# Altium PCB RevA2.PcbDoc (part 5 of 6)
Units mm, origin at the board's own origin, x right, y up, seen from the top; angles counter-clockwise.
Board outline 173 x 171 mm, 2 copper layers (Top Layer, Top, Bottom Layer, Bottom); 316 components, 437 nets, 1976 pads, 936 vias.
Unrouted connection lines stored in the file: 219.
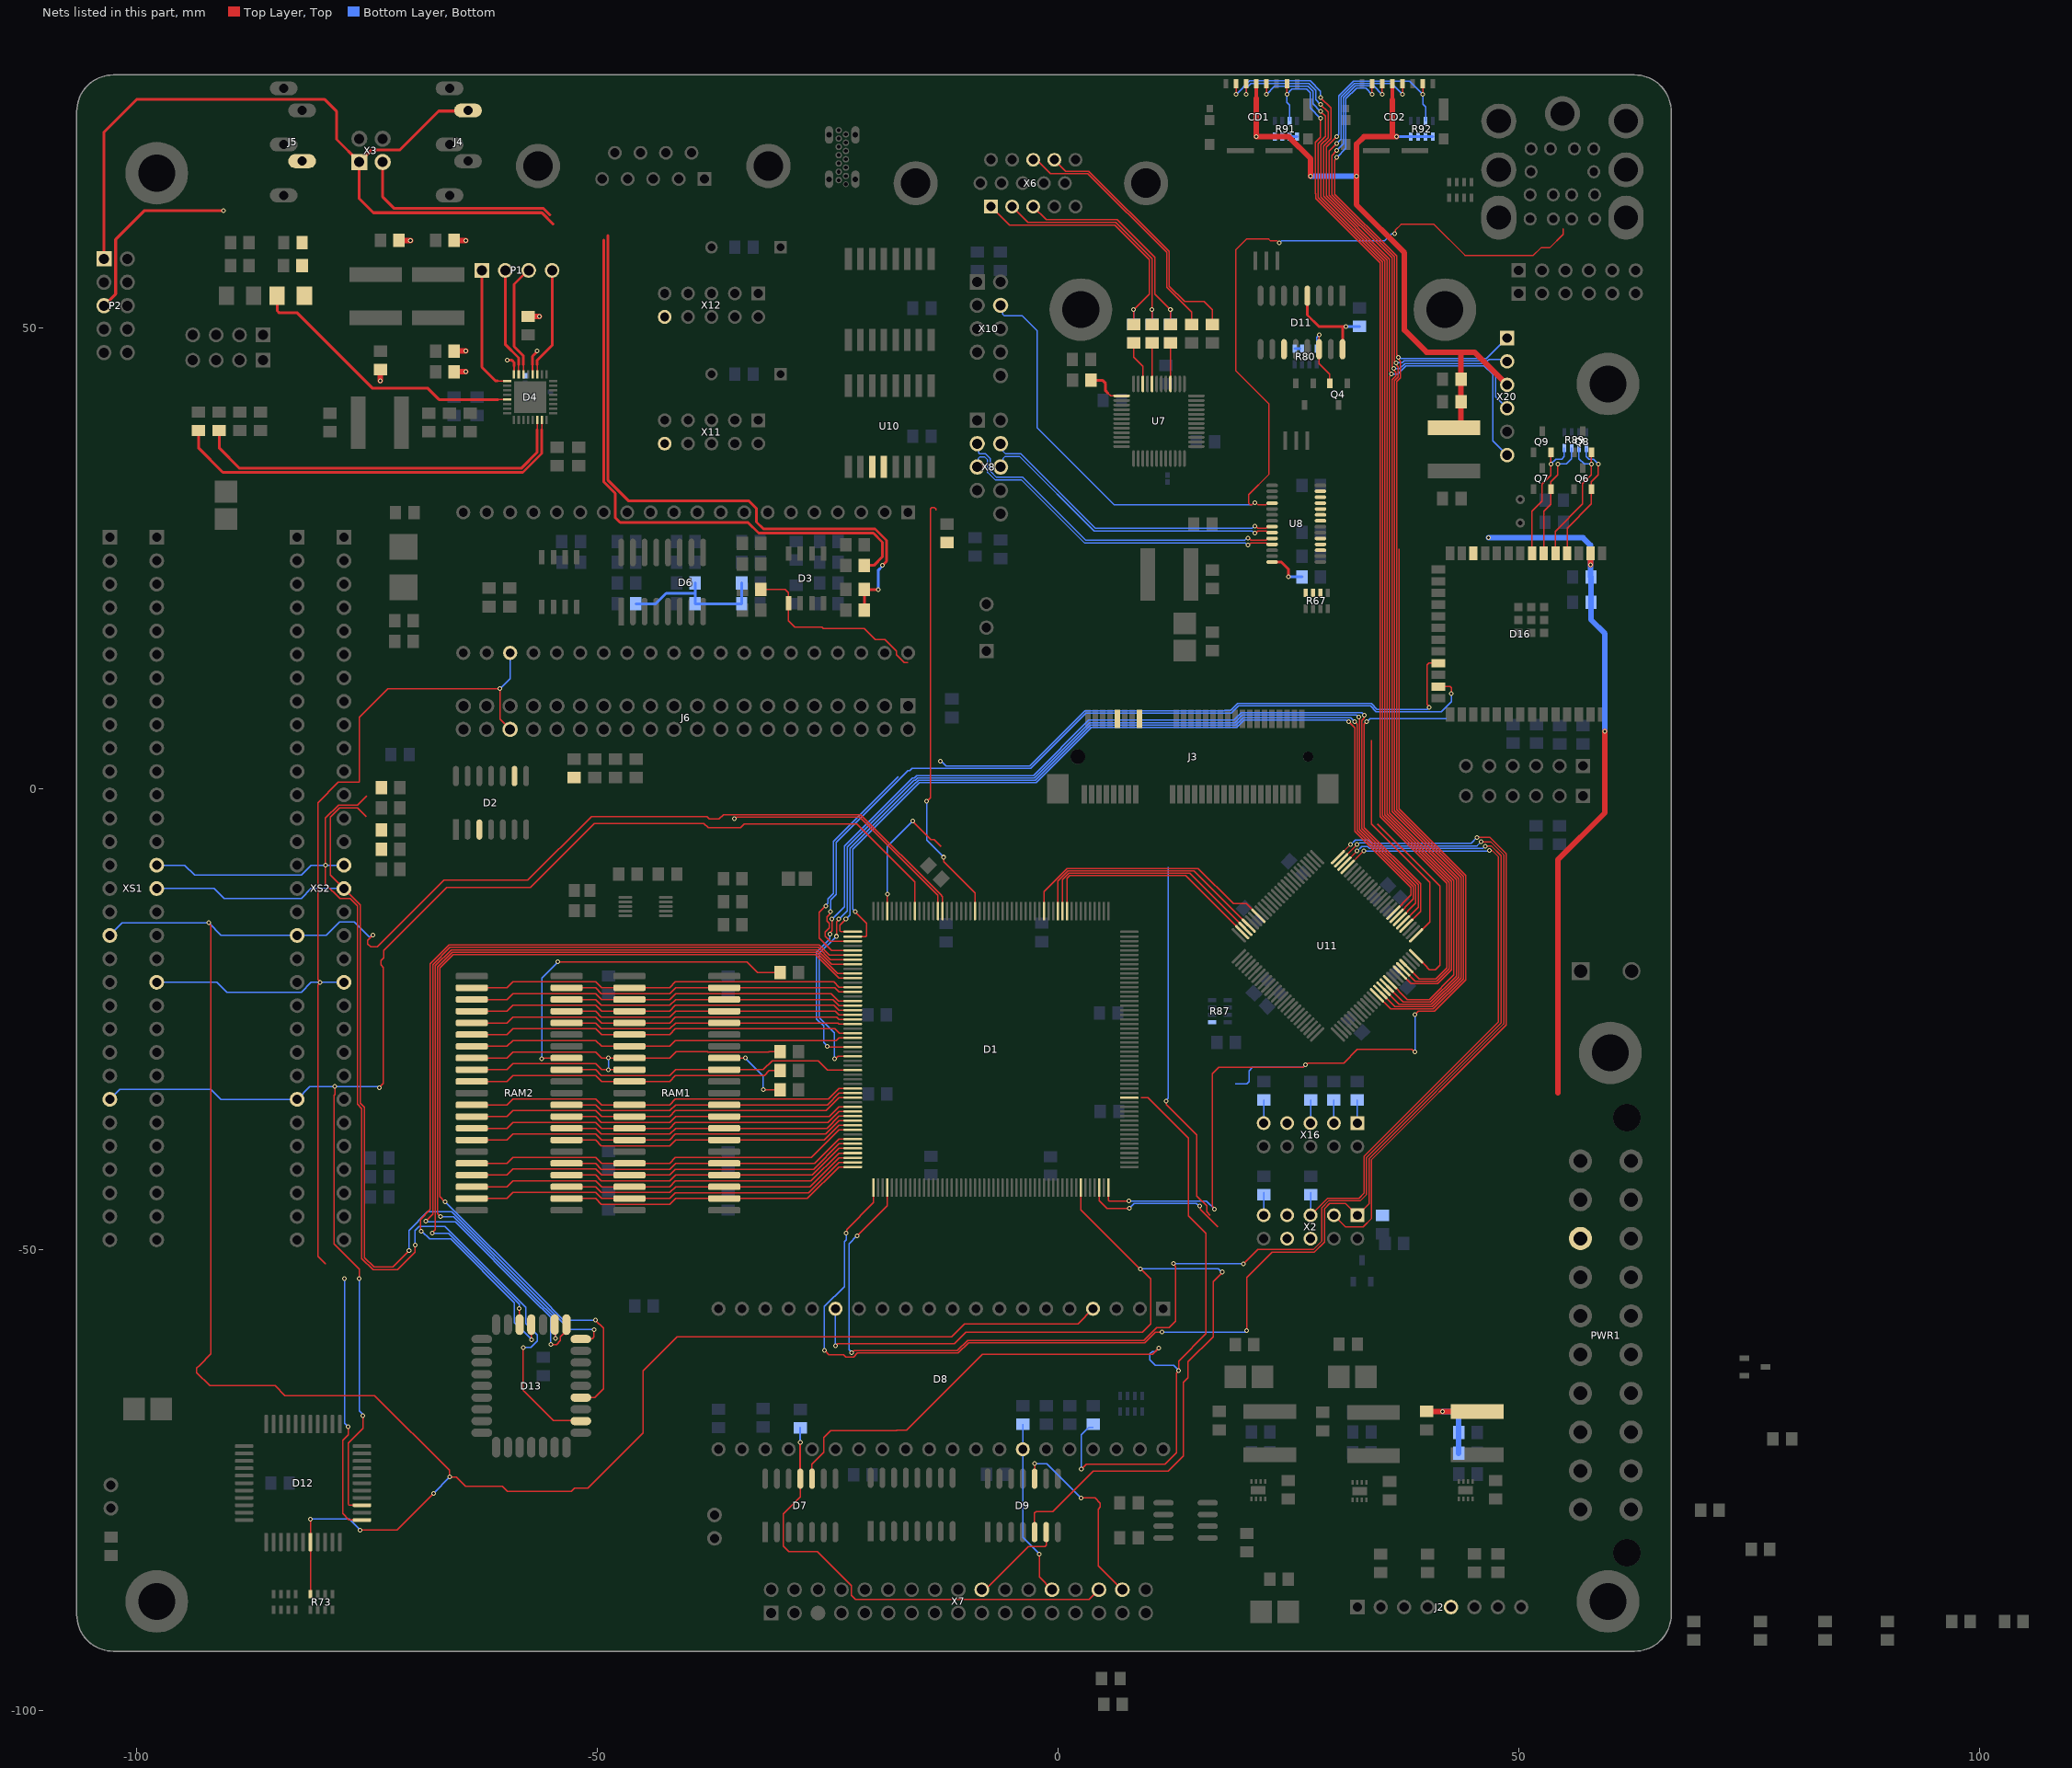
[diagram p5: the nets of this part, all layers, seen from the top]

## Via types
v1: diameter 0.5, hole 0.3, Top Layer, Top to Bottom Layer, Bottom, tented both sides, 925 vias
v2: diameter 0.5, hole 0.2, Top Layer, Top to Bottom Layer, Bottom, 6 vias
v3: diameter 1, hole 0.5, Top Layer, Top to Bottom Layer, Bottom, tented both sides, 4 vias
v4: diameter 1, hole 0.5, Top Layer, Top to Bottom Layer, Bottom, 1 vias

## Nets (pads, with @x,y where several pads share a name; then routed paths per layer and width w, separated by ;. In a path a pad name is that pad's centre, name@x,y a point inside that pad or via, vN(x,y) a via of type N, cw(c..) or ccw(c..) an arc to the next point about the centre after c; other vN are vias at no path point) (continued)
NetR51_1: R51.1 U7.34 | length 4.8
  Top Layer, Top w0.127: R51.1@8.225,48.375 8.225,46.845 9.225,45.845 U7.34@9.225,43.945
NetR52_1: R52.1 U7.32 | length 4.4
  Top Layer, Top w0.127: U7.32@10.225,43.945 R52.1@10.225,48.375
NetR53_1: R53.1 U7.28 | length 4.4
  Top Layer, Top w0.127: U7.28@12.225,43.945 R53.1@12.225,48.375
NetR57_2: R57.2 X6.14 | length 27.7
  Top Layer, Top w0.127: X6.14@-0.38,68.25 0.866,67.004 3.362,67.004 12.063,58.303 12.063,54.546 13.75,52.859 15.891,52.859 16.75,52 R57.2@16.75,50.375
NetR58_2: R58.2 X6.13 | length 27.6
  Top Layer, Top w0.127: X6.13@-2.67,68.25 -2.309,68.25 -0.809,66.75 3.256,66.75 11.809,58.198 11.809,54.441 14.5,51.75 R58.2@14.5,50.375
NetR59_2: R59.2 U7.37 | length 4.5
  Top Layer, Top w0.127: 5.408,42.962 5.725,42.645 U7.37@6.925,42.645
  Top Layer, Top w0.3: R59.2@3.58,44.345 4.83,44.345 5.181,43.994 5.181,43.189 5.408,42.962
NetR67_2: R67.2 U8.19
NetR67_3: R67.3 U8.26
NetR67_4: R67.4 U8.18
NetR68_1: R68.1 U8.14 | length 4.4
  Top Layer, Top w0.3: U8.14@23.25,24.611 24.25,24.611 25,23.861 v1(25,23)
  Bottom Layer, Bottom w0.3: v1(25,23) R68.1@26.5,23
NetR84_1: R84.1 X16.1 | length 2.5
  Bottom Layer, Bottom w0.15: X16.1@32.5,-36.25 R84.1@32.5,-33.75
NetR85_1: R85.1 X16.3 | length 2.5
  Bottom Layer, Bottom w0.15: X16.3@29.96,-36.25 R85.1@29.96,-33.75
NetR86_1: R86.1 X16.5 | length 2.5
  Bottom Layer, Bottom w0.15: X16.5@27.42,-36.25 R86.1@27.42,-33.75
NetR88_1: R88.1 X16.9 | length 2.5
  Bottom Layer, Bottom w0.15: X16.9@22.34,-36.25 R88.1@22.34,-33.75
NetU8_22: U8.22
NetU8_23: U8.23
NetU8_24: U8.24
NetU8_25: U8.25
NetU8_27: U8.27
NetU10_11: U10.11
NetU10_12: U10.12
NetX2_6: X2.6
NetX2_7: X2.7
NetX2_8: X2.8
NetX11_10: X11.10
NetX12_10: X12.10
NetX16_7: X16.7
OUT_B_5: R53.2 R54.2 X6.3 | length 25.1
  Top Layer, Top w0.127: X6.3@-2.67,63.17 -1.251,61.751 6.424,61.751 10.525,57.65 10.525,53.7 v1(12.225,52) R53.2@12.225,50.375
  Bottom Layer, Bottom w0.127: R54.2@12.225,50.375 v1(12.225,52)
OUT_G_5: R52.2 R55.2 X6.2 | length 26.3
  Top Layer, Top w0.127: X6.2@-4.96,63.17 -3.241,61.451 6.299,61.451 10.225,57.526 R52.2@10.225,50.375
  Bottom Layer, Bottom w0.127: R55.2@10.225,50.375 v1(10.225,52)
OUT_R_5: R51.2 R56.2 X6.1 | length 28.9
  Top Layer, Top w0.127: X6.1@-7.25,63.17 -5.231,61.151 6.175,61.151 9.925,57.401 9.925,53.7 v1(8.225,52) R51.2@8.225,50.375
  Bottom Layer, Bottom w0.127: R56.2@8.225,50.375 v1(8.225,52)
PS2_KEYB_CLK_12: D16.6 Q7.2 R89.7 | length 13.2
  Top Layer, Top w0.127: D16.6@52.722,25.575 52.722,30.119 53.5,30.897 Q7.2@53.5,32.5 53.5,33.325 54.25,34.075 v1(54.25,35.25)
  Bottom Layer, Bottom w0.127: v1(54.25,35.25) 55.163,35.25 55.75,35.838 R89.7@55.75,37
PS2_KEYB_DAT_12: D16.4 Q6.2 R89.5 | length 13.7
  Top Layer, Top w0.127: D16.4@55.262,25.575 55.262,28.266 57.9,30.903 Q6.2@57.9,32.5 57.9,33.325 58.65,34.075 v1(58.65,35.25)
  Bottom Layer, Bottom w0.127: R89.5@57.35,37 57.35,36.05 57.625,35.775 58.117,35.775 58.642,35.25 v1(58.65,35.25)
PS2_MOUS_CLK_12: D16.7 Q9.2 R89.8 | length 14.5
  Top Layer, Top w0.127: D16.7@51.452,25.575 51.452,30.127 52.55,31.225 52.55,33.083 53.5,34.033 v1(53.5,35.25) Q9.2@53.5,36.5
  Bottom Layer, Bottom w0.127: v1(53.5,35.25) 53.508,35.25 54.033,35.775 54.675,35.775 54.95,36.05 R89.8@54.95,37
PS2_MOUS_DAT_12: D16.5 Q8.2 R89.6 | length 15.3
  Top Layer, Top w0.127: D16.5@53.992,25.575 53.992,27.946 56.95,30.903 56.95,33.118 57.9,34.068 v1(57.9,35.25) Q8.2@57.9,36.5
  Bottom Layer, Bottom w0.127: R89.6@56.55,37 56.55,35.838 57.137,35.25 v1(57.9,35.25)
PWRGOOD_2: PWR1.8
R\D\_1: D1.141 D8.4 D12.18 R73.4 XS1.B18 XS2.B18 | length 297.5
  Top Layer, Top w0.127: v1(-92.125,-14.499) -92.125,-14.587 -91.9,-14.812 -91.9,-61.279 -93.125,-62.504 -93.438,-62.816 -93.438,-63.3 -92,-64.738 -84.923,-64.738 -83.861,-65.8 -74.118,-65.8 -65.994,-73.924 v1(-65.994,-74.632) -65.285,-74.632 -64.278,-75.639 -60.296,-75.639 -59.719,-76.216 -52.805,-76.216 -52.438,-75.849 -50.981,-75.849 -44.992,-69.86 -44.992,-63.115 -41.29,-59.413 -11.544,-59.413 -10.149,-58.018 2.192,-58.018 3.8,-56.41 D8.4@3.8,-56.4 ; R73.4@-81.1,-87.35 -81.1,-83 D12.18@-81.1,-81.7 v1(-81.1,-79.2) ; v1(-75.7,-80.4) -71.713,-80.4 v1(-67.725,-76.411) ; v1(-74.325,-15.862) -74.325,-15.87 -74.876,-16.421 -74.876,-16.804 -74.543,-17.137 -73.848,-17.137 -66.614,-9.904 -65.48,-9.904 -57.533,-9.904 -50.614,-2.985 -38.079,-2.985 -37.797,-3.267 -36.76,-3.267 -36.27,-2.778 -21.386,-2.778 -12.746,-11.418 -12.5,-11.664 D1.141@-12.5,-13.25
  Bottom Layer, Bottom w0.127: XS1.B18@-103.235,-16.265 -101.517,-14.547 -92.173,-14.547 v1(-92.125,-14.499) ; v1@-92.125,-14.547 -90.782,-15.89 XS2.B18@-82.54,-15.89 -79.404,-15.89 -77.939,-14.425 -76.356,-14.425 -74.762,-16.018 -74.603,-16.018 -74.447,-15.862 v1(-74.325,-15.862) ; v1(-81.1,-79.2) -76.9,-79.2 v1(-75.7,-80.4) ; v1(-67.725,-76.411) -67.725,-76.387 -65.994,-74.656 v1(-65.994,-74.632)
R\D\A\T\_6: D7.11 R63.1 X7.30 | length 51.4
  Top Layer, Top w0.127: D7.11@-27.94,-74.83 -27.94,-76.799 -29.8,-78.659 -29.8,-82.151 -29.201,-82.75 -26.084,-82.75 -22.41,-86.424 -22.41,-87.47 -21.935,-87.945 3.38,-87.945 4.177,-87.148 X7.30@4.635,-87.148
  Top Layer, Top w0.2: D7.11@-27.94,-74.83 v1(-27.94,-70.868)
  Bottom Layer, Bottom w0.2: v1(-27.94,-70.868) R63.1@-27.94,-69.306
R\D\A\T\_\B\: D7.10 R65.2 | length 110.5
  Top Layer, Top w0.127: D7.10@-26.67,-74.83 -26.67,-73.23 -25.4,-71.96 -25.4,-70.353 -24.653,-69.606 -17.526,-69.606 -17.48,-69.56 -16.413,-69.56 -8.195,-61.342 10.264,-61.342 v1(10.97,-60.636) ; v1(2.546,-73.792) 3.094,-73.243 11.636,-73.243 12.852,-72.027 12.852,-63.393 13.11,-63.136 13.11,-62.064 16.079,-59.094 16.079,-48.225 14.155,-46.301 14.155,-37.879 9.776,-33.5 9.025,-33.5
  Bottom Layer, Bottom w0.127: v1(2.546,-73.792) 2.546,-70.075 3.141,-69.48 3.371,-69.25 R65.2@3.82,-69.25 ; v1(10.97,-60.636) 10.588,-61.019 10.264,-61.019 10,-61.283 10,-61.952 10.571,-62.523 12.552,-62.523 v1(13.11,-63.08)
R\D\A\T\_\B\_1: D1.68
R\D\R\O\M\_1: D13.22 R71.1 XS1.A15 XS2.A15 | length 120.6
  Top Layer, Top w0.127: v1@-79.5,-8.27 -79.475,-8.245 -79.475,-3.174 -78.051,-1.75 -75.978,-1.75 -74.978,-0.75 ; v1(-79.475,-8.27) -79.475,-10.315 -77.905,-11.885 -76.795,-11.885 -75.98,-12.7 -75.98,-34.206 -75.525,-34.662 -75.525,-50.952 -74.312,-52.165 -71.652,-52.165 -69.75,-50.263 v1(-69.75,-49.5) ; v1(-58,-60.581) -58.039,-60.62 -58.039,-65.211 -54.75,-68.5 D13.22@-51.4,-68.5
  Bottom Layer, Bottom w0.127: XS1.A15@-97.78,-8.27 -94.75,-8.27 -93.675,-9.345 -82.095,-9.345 -81.02,-8.27 XS2.A15@-77.46,-8.27 ; v1(-69.75,-49.5) -69.75,-47.907 -69.317,-47.475 -66.495,-47.475 -57.75,-56.22 -57.75,-58 -56.5,-59.25 -56.5,-59.9 -57.181,-60.581 v1(-58,-60.581)
R\E\S\_1: D6.23 D12.23 J6.36 R22.2 XS1.A20 XS2.A20 | length 138.3
  Top Layer, Top w0.127: -79.5,-51.533 -79.5,-51.503 -80.3,-50.703 -80.3,-23.557 -80.3,-21.25 -80.075,-21.025 v1(-80.075,-20.97) -80.075,-20.882 -80.3,-20.657 -80.3,-1.509 -78.065,0.725 -75.785,0.725 -75.785,7.768 -72.673,10.88 v1(-60.53,10.88) -60.53,7.56 J6.36@-59.43,6.46 ; v1(-77,-69.2) -77,-70.075 -77.6,-70.675 -77.6,-78.612 -76.912,-79.3 D12.23@-75.5,-79.3
  Bottom Layer, Bottom w0.127: XS1.A20@-97.78,-20.97 -91.244,-20.97 -90.169,-22.045 -82.095,-22.045 -81.02,-20.97 v1(-80.075,-20.97) ; v1@-80.075,-20.985 -80.06,-20.97 XS2.A20@-77.46,-20.97 ; v1@-77.4,-53.109 -77.4,-54.963 -77.397,-54.965 -77.397,-68.802 v1(-77,-69.2) ; v1(-60.53,10.88) -59.43,11.98 D6.23@-59.43,14.76
  other v1: -77.4,-53.1
R\F\S\H\_1: D1.147 D12.25 XS1.B25 XS2.B25 | length 164.7
  Top Layer, Top w0.127: v1(-78.436,-32.287) -78.436,-33.126 -78.535,-33.224 -78.535,-49.355 -75.8,-52.09 v1(-75.8,-53.1) ; D12.25@-75.5,-77.7 -76.912,-77.7 -77,-77.612 -77,-70.974 -75.4,-69.374 v1(-75.4,-68) ; v1(-73.639,-32.392) -73.172,-31.925 -73.172,-19.366 -73.454,-19.085 -73.454,-18.604 -73.154,-18.305 -73.154,-17.521 -66.298,-10.666 -65.795,-10.666 -57.217,-10.666 -50.299,-3.747 -38.395,-3.747 -37.925,-4.217 -34.429,-4.217 -34.005,-3.794 -21.807,-3.794 -15.5,-10.101 D1.147@-15.5,-13.25
  Bottom Layer, Bottom w0.127: XS1.B25@-103.088,-33.898 -101.785,-32.595 -91.905,-32.595 -90.83,-33.67 XS2.B25@-82.54,-33.67 -81.157,-32.287 -73.867,-32.287 -73.761,-32.392 v1(-73.639,-32.392) ; v1(-75.8,-53.1) -75.8,-67.485 -75.4,-67.885 v1(-75.4,-68)
R\L\C\A\S\_1: R10.2 RAM1.31 RAM2.31 | length 34.5
  Top Layer, Top w0.127: RAM2.31@-63.587,-31.73 -59.75,-31.73 -59.106,-31.086 -50.144,-31.086 -49.5,-31.73 RAM1.31@-46.487,-31.73 -42.125,-31.73 -41.492,-31.097 -31.847,-31.097 -31.312,-30.562 R10.2@-30.134,-30.562
R\O\M\O\E\_1: D1.167 D13.24 | length 104.4
  Top Layer, Top w0.127: v1(-66.5,-44.8) -67.067,-44.233 -67.067,-19.401 -65.623,-17.957 -26.293,-17.957 -23.751,-20.5 D1.167@-22.25,-20.5 ; D13.24@-51.755,-66.03 -51.725,-66 -50.25,-66 -49.3,-65.05 -49.3,-58.488 v1(-50.175,-57.613)
  Bottom Layer, Bottom w0.127: v1(-66.5,-44.8) -66.46,-44.8 -56.246,-55.014 -53.646,-57.613 v1(-50.175,-57.613)
R\O\M\P\G\0\_1: D1.161 D2.9 | length 25.3
  Top Layer, Top w0.127: v1(-25.186,-12.686) -25.871,-13.37 -25.871,-16.183 -24.553,-17.5 D1.161@-22.25,-17.5
  Bottom Layer, Bottom w0.127: v1(-25.186,-12.686) -25.186,-12.598 -24.961,-12.373 -24.961,-11.921 -24.351,-11.311 -24.351,-5.677 -17.311,1.364
R\O\M\W\E\_1: D1.166 D13.31 | length 94.9
  Top Layer, Top w0.127: v1(-67,-46.4) -67,-46.362 -67.321,-46.041 -67.321,-19.296 -65.728,-17.703 -26.188,-17.703 -23.892,-20 D1.166@-22.25,-20 ; D13.31@-54.56,-57.842 -54.532,-57.87 -54.532,-59.585 v1(-54.504,-59.613)
  Bottom Layer, Bottom w0.127: v1(-67,-46.4) -65.578,-46.4 -56.754,-55.224 -54.504,-57.474 v1(-54.504,-59.613)
R\R\A\S\0\_1: R9.2 RAM1.14 | length 8.4
  Top Layer, Top w0.127: RAM1.14@-36.187,-29.177 RAM1.14@-36.2,-29.19 v1(-33.912,-29.19) ; v1(-31.963,-32.625) R9.2@-30.134,-32.625
  Bottom Layer, Bottom w0.127: v1(-33.912,-29.19) -31.963,-31.139 v1(-31.963,-32.625)
R\R\A\S\1\_1: R12.2 RAM2.14 | length 38.5
  Top Layer, Top w0.127: v1(-56,-29.25) -55.94,-29.19 RAM2.14@-53.3,-29.19 ; v1(-54.25,-18.75) -33.75,-18.75 -32.597,-19.903 R12.2@-30.136,-19.903
  Bottom Layer, Bottom w0.127: v1(-56,-29.25) -56,-20.5 v1(-54.25,-18.75)
R\U\C\A\S\_1: R11.2 RAM1.29 RAM1.30 RAM2.29 RAM2.30 | length 53.2
  Top Layer, Top w0.127: RAM2.30@-63.587,-30.46 -59.75,-30.46 -59.106,-29.816 -50.144,-29.816 -49.5,-30.46 v1(-48.75,-30.46) RAM1.30@-46.487,-30.46 ; RAM2.29@-63.587,-29.19 -59.75,-29.19 -59.106,-28.546 -50.144,-28.546 -49.5,-29.19 v1(-48.75,-29.19) RAM1.29@-46.487,-29.19 -42.125,-29.19 -41.418,-28.483 -38.023,-28.483 -37.961,-28.545 -31.374,-28.545 -31.312,-28.483 R11.2@-30.136,-28.483
  Bottom Layer, Bottom w0.127: v1(-48.75,-30.46) v1(-48.75,-29.19)
R\W\E\_1: D1.187 RAM1.13 RAM2.13 | length 32.4
  Top Layer, Top w0.127: RAM2.13@-53.3,-30.46 -50.154,-30.46 -49.526,-31.088 -42.104,-31.088 -41.475,-30.46 RAM1.13@-36.2,-30.46 -31.963,-30.46 -31.004,-29.5 -26.018,-29.5 -25.018,-30.5 D1.187@-22.25,-30.5
RA0: D1.177 RAM1.17 RAM2.17 | length 31.6
  Top Layer, Top w0.127: RAM2.17@-53.3,-25.38 -50.154,-25.38 -49.526,-26.008 -42.104,-26.008 -41.475,-25.38 -23.871,-25.38 -23.751,-25.5 D1.177@-22.25,-25.5
RA1: D1.175 RAM1.18 RAM2.18 | length 31.8
  Top Layer, Top w0.127: RAM2.18@-53.3,-24.11 -50.154,-24.11 -49.526,-24.738 -42.104,-24.738 -41.475,-24.11 RAM1.18@-36.2,-24.11 ; RAM1.18@-36.21,-24.1 RAM1.18@-36.2,-24.11 ; RAM1.18@-36.19,-24.1 RAM1.18@-36.2,-24.11 ; D1.175@-22.25,-24.5 -23.751,-24.5 -24.141,-24.11 RAM1.18@-36.2,-24.11
RA2: D1.173 RAM1.19 RAM2.19 | length 31.8
  Top Layer, Top w0.127: RAM2.19@-53.3,-22.84 -50.154,-22.84 -49.526,-23.468 -42.104,-23.468 -41.475,-22.84 RAM1.19@-36.2,-22.84 -24.387,-22.84 -23.727,-23.5 D1.173@-22.25,-23.5
RA3: D1.170 RAM1.20 RAM2.20 | length 31.7
  Top Layer, Top w0.127: RAM2.20@-53.3,-21.57 -50.154,-21.57 -49.526,-22.198 -42.104,-22.198 -41.475,-21.57 RAM1.20@-36.2,-21.57 -24.18,-21.57 -23.75,-22 D1.170@-22.25,-22
RA4: D1.169 RAM1.23 RAM2.23 | length 42.4
  Top Layer, Top w0.127: RAM2.23@-63.587,-21.57 -59.75,-21.57 -59.106,-20.926 -50.144,-20.926 -49.5,-21.57 RAM1.23@-46.487,-21.57 -42.125,-21.57 -41.491,-20.936 -24.299,-20.936 -23.736,-21.5 D1.169@-22.25,-21.5
RA5: D1.172 RAM1.24 RAM2.24 | length 42.5
  Top Layer, Top w0.127: RAM2.24@-63.587,-22.84 -59.75,-22.84 -59.106,-22.196 -50.144,-22.196 -49.5,-22.84 RAM1.24@-46.487,-22.84 -42.125,-22.84 -41.485,-22.2 -24.603,-22.2 -23.803,-23 D1.172@-22.25,-23
RA6: D1.174 RAM1.25 RAM2.25 | length 42.3
  Top Layer, Top w0.127: RAM2.25@-63.587,-24.11 -59.75,-24.11 -59.106,-23.466 -50.144,-23.466 -49.5,-24.11 RAM1.25@-46.487,-24.11 -42.125,-24.11 -41.491,-23.476 -24.29,-23.476 -23.766,-24 D1.174@-22.25,-24
RA7: D1.176 RAM1.26 RAM2.26 | length 42.2
  Top Layer, Top w0.127: RAM2.26@-63.587,-25.38 -59.75,-25.38 -59.106,-24.736 -50.144,-24.736 -49.5,-25.38 RAM1.26@-46.487,-25.38 -42.125,-25.38 -41.491,-24.746 -24.004,-24.746 -23.751,-25 D1.176@-22.25,-25
RA8: D1.179 RAM1.27 RAM2.27 | length 42.3
  Top Layer, Top w0.127: RAM2.27@-63.587,-26.65 -59.75,-26.65 -59.106,-26.006 -50.144,-26.006 -49.5,-26.65 RAM1.27@-46.487,-26.65 -42.125,-26.65 -41.49,-26.015 -24.208,-26.015 -23.723,-26.5 D1.179@-22.25,-26.5
RA9: D1.180 RAM1.28 RAM2.28 | length 42.3
  Top Layer, Top w0.127: RAM2.28@-63.587,-27.92 -59.75,-27.92 -59.106,-27.276 -50.144,-27.276 -49.5,-27.92 RAM1.28@-46.487,-27.92 -42.125,-27.92 -41.491,-27.286 -24.037,-27.286 -23.751,-27 D1.180@-22.25,-27
RD0: D1.208 RAM1.2 RAM2.2 | length 33
  Top Layer, Top w0.127: RAM2.2@-53.3,-44.43 -50.154,-44.43 -49.526,-45.058 -42.104,-45.058 -41.475,-44.43 RAM1.2@-36.2,-44.43 -27.18,-44.43 -23.75,-41 D1.208@-22.25,-41
RD1: D1.206 RAM1.3 RAM2.3 | length 32.9
  Top Layer, Top w0.127: RAM2.3@-53.3,-43.16 -50.154,-43.16 -49.526,-43.788 -42.104,-43.788 -41.475,-43.16 RAM1.3@-36.2,-43.16 -26.91,-43.16 -23.75,-40 D1.206@-22.25,-40
RD2: D1.204 RAM1.4 RAM2.4 | length 32.8
  Top Layer, Top w0.127: RAM2.4@-53.3,-41.89 -50.154,-41.89 -49.526,-42.518 -42.104,-42.518 -41.475,-41.89 RAM1.4@-36.2,-41.89 ; RAM1.4@-36.21,-41.9 RAM1.4@-36.2,-41.89 ; RAM1.4@-36.19,-41.9 RAM1.4@-36.2,-41.89 ; D1.204@-22.25,-39 -23.749,-39 -26.639,-41.89 RAM1.4@-36.2,-41.89
RD3: D1.202 RAM1.5 RAM2.5 | length 32.8
  Top Layer, Top w0.127: RAM2.5@-53.3,-40.62 -50.154,-40.62 -49.526,-41.248 -42.104,-41.248 -41.475,-40.62 RAM1.5@-36.2,-40.62 ; RAM1.5@-36.283,-40.703 RAM1.5@-36.2,-40.62 ; RAM1.5@-36.18,-40.6 RAM1.5@-36.2,-40.62 ; D1.202@-22.25,-38 -23.75,-38 -26.37,-40.62 RAM1.5@-36.2,-40.62
RD4: D1.199 RAM1.7 RAM2.7 | length 32.3
  Top Layer, Top w0.127: RAM2.7@-53.3,-38.08 -50.154,-38.08 -49.526,-38.708 -42.104,-38.708 -41.475,-38.08 RAM1.7@-36.2,-38.08 ; RAM1.7@-36.22,-38.1 RAM1.7@-36.2,-38.08 ; D1.199@-22.25,-36.5 -23.75,-36.5 -25.33,-38.08 RAM1.7@-36.2,-38.08
RD5: D1.197 RAM1.8 RAM2.8 | length 32.1
  Top Layer, Top w0.127: RAM2.8@-53.3,-36.81 -50.154,-36.81 -49.526,-37.438 -42.104,-37.438 -41.475,-36.81 RAM1.8@-36.2,-36.81 ; RAM1.8@-36.21,-36.8 RAM1.8@-36.2,-36.81 ; D1.197@-22.25,-35.5 -23.75,-35.5 -25.06,-36.81 RAM1.8@-36.2,-36.81
RD6: D1.195 RAM1.9 RAM2.9 | length 32
  Top Layer, Top w0.127: RAM2.9@-53.3,-35.54 -50.154,-35.54 -49.526,-36.168 -42.104,-36.168 -41.475,-35.54 RAM1.9@-36.2,-35.54 -24.79,-35.54 -23.75,-34.5 D1.195@-22.25,-34.5
RD7: D1.192 RAM1.10 RAM2.10 | length 32.1
  Top Layer, Top w0.127: RAM2.10@-53.3,-34.27 -50.154,-34.27 -49.526,-34.898 -42.104,-34.898 -41.475,-34.27 RAM1.10@-36.2,-34.27 -25.018,-34.27 -23.748,-33 D1.192@-22.25,-33
RD8: D1.191 RAM1.33 RAM2.33 | length 42.6
  Top Layer, Top w0.127: RAM2.33@-63.587,-34.27 -59.75,-34.27 -59.106,-33.626 -50.144,-33.626 -49.5,-34.27 RAM1.33@-46.487,-34.27 -42.125,-34.27 -41.491,-33.636 -24.884,-33.636 -23.748,-32.5 D1.191@-22.25,-32.5
RD9: D1.193 RAM1.34 RAM2.34 | length 42.7
  Top Layer, Top w0.127: RAM2.34@-63.587,-35.54 -59.75,-35.54 -59.106,-34.896 -50.144,-34.896 -49.5,-35.54 RAM1.34@-46.487,-35.54 -42.125,-35.54 -41.491,-34.906 -25.155,-34.906 -23.748,-33.5 D1.193@-22.25,-33.5
RD10: D1.196 RAM1.35 RAM2.35 | length 42.6
  Top Layer, Top w0.127: RAM2.35@-63.587,-36.81 -59.75,-36.81 -59.106,-36.166 -50.144,-36.166 -49.5,-36.81 RAM1.35@-46.487,-36.81 -42.125,-36.81 -41.491,-36.176 -24.926,-36.176 -23.75,-35 D1.196@-22.25,-35
RD11: D1.198 RAM1.36 RAM2.36 | length 42.7
  Top Layer, Top w0.127: RAM2.36@-63.587,-38.08 -59.75,-38.08 -59.106,-37.436 -50.144,-37.436 -49.5,-38.08 RAM1.36@-46.487,-38.08 -42.125,-38.08 -41.491,-37.446 -25.195,-37.446 -23.749,-36 D1.198@-22.25,-36
RD12: D1.200 RAM1.38 RAM2.38 | length 43.4
  Top Layer, Top w0.127: RAM2.38@-63.587,-40.62 -59.75,-40.62 -59.106,-39.976 -50.144,-39.976 -49.5,-40.62 RAM1.38@-46.487,-40.62 -42.125,-40.62 -41.491,-39.986 -26.735,-39.986 -23.749,-37 D1.200@-22.25,-37
RD13: D1.203 RAM1.39 RAM2.39 | length 43.3
  Top Layer, Top w0.127: RAM2.39@-63.587,-41.89 -59.75,-41.89 -59.106,-41.246 -50.144,-41.246 -49.5,-41.89 RAM1.39@-46.487,-41.89 -42.125,-41.89 -41.491,-41.256 -26.506,-41.256 -23.75,-38.5 D1.203@-22.25,-38.5